# Altium PCB Tag201_GangProgrammerRev1.PcbDoc (part 3 of 7)
Units mil, origin at the board's own origin, x right, y up, seen from the top; angles counter-clockwise.
Board outline 10400 x 10885 mil, 4 copper layers (Top Layer, VCC, GND, Bottom Layer), stack 67.2 mil thick; 874 components, 385 nets, 2980 pads, 650 vias.
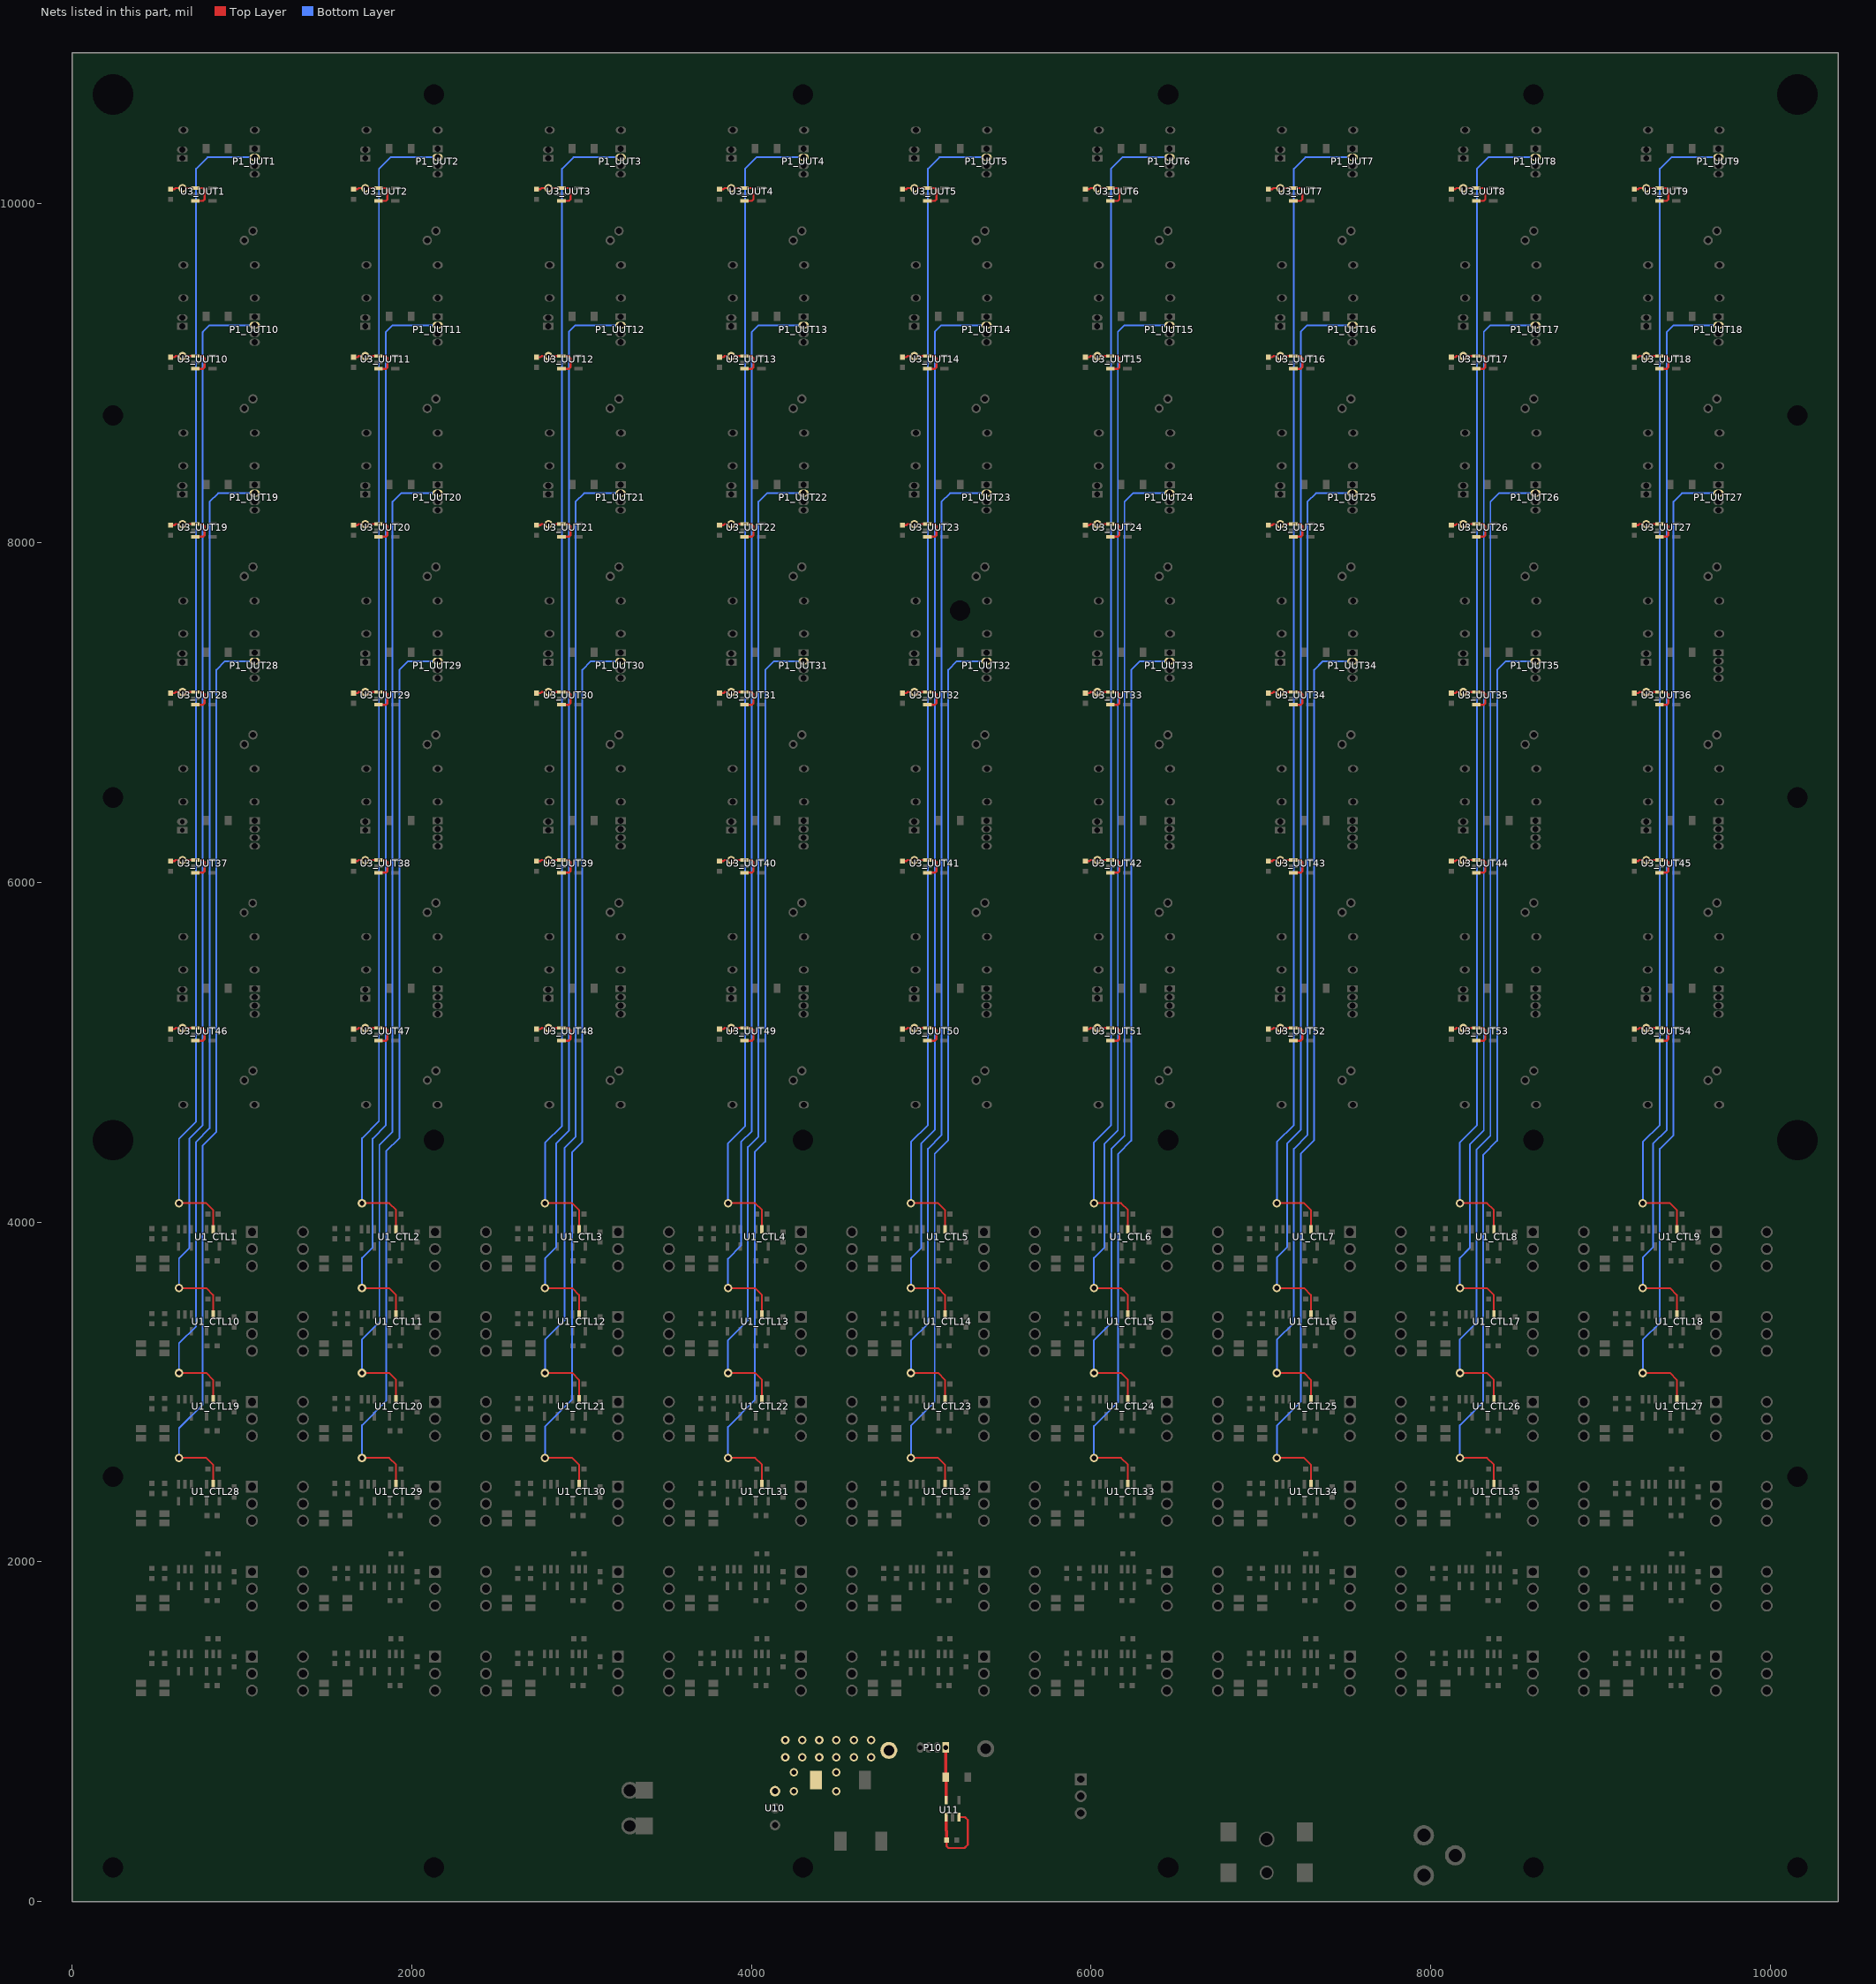
[diagram p5: the nets of this part, all layers, seen from the top]

## Components (designator, comment, footprint, x,y, rotation, side; value= is the part's Value field where it differs from the comment) (continued)
U2_CTL8 "74LVC1G66" SOT25_030205 8206.5,3907 r90 top (schematic designator U2)
U2_CTL9 "74LVC1G66" SOT25_030205 9284,3907 r90 top (schematic designator U2)
U2_CTL10 "74LVC1G66" SOT25_030205 664,3407 r90 top (schematic designator U2)
U2_CTL11 "74LVC1G66" SOT25_030205 1741.5,3407 r90 top (schematic designator U2)
U2_CTL12 "74LVC1G66" SOT25_030205 2819,3407 r90 top (schematic designator U2)
U2_CTL13 "74LVC1G66" SOT25_030205 3896.5,3407 r90 top (schematic designator U2)
U2_CTL14 "74LVC1G66" SOT25_030205 4974,3407 r90 top (schematic designator U2)
U2_CTL15 "74LVC1G66" SOT25_030205 6051.5,3407 r90 top (schematic designator U2)
U2_CTL16 "74LVC1G66" SOT25_030205 7129,3407 r90 top (schematic designator U2)
U2_CTL17 "74LVC1G66" SOT25_030205 8206.5,3407 r90 top (schematic designator U2)
U2_CTL18 "74LVC1G66" SOT25_030205 9284,3407 r90 top (schematic designator U2)
U2_CTL19 "74LVC1G66" SOT25_030205 664,2907 r90 top (schematic designator U2)
U2_CTL20 "74LVC1G66" SOT25_030205 1741.5,2907 r90 top (schematic designator U2)
U2_CTL21 "74LVC1G66" SOT25_030205 2819,2907 r90 top (schematic designator U2)
U2_CTL22 "74LVC1G66" SOT25_030205 3896.5,2907 r90 top (schematic designator U2)
U2_CTL23 "74LVC1G66" SOT25_030205 4974,2907 r90 top (schematic designator U2)
U2_CTL24 "74LVC1G66" SOT25_030205 6051.5,2907 r90 top (schematic designator U2)
U2_CTL25 "74LVC1G66" SOT25_030205 7129,2907 r90 top (schematic designator U2)
U2_CTL26 "74LVC1G66" SOT25_030205 8206.5,2907 r90 top (schematic designator U2)
U2_CTL27 "74LVC1G66" SOT25_030205 9284,2907 r90 top (schematic designator U2)
U2_CTL28 "74LVC1G66" SOT25_030205 664,2407 r90 top (schematic designator U2)
U2_CTL29 "74LVC1G66" SOT25_030205 1741.5,2407 r90 top (schematic designator U2)
U2_CTL30 "74LVC1G66" SOT25_030205 2819,2407 r90 top (schematic designator U2)
U2_CTL31 "74LVC1G66" SOT25_030205 3896.5,2407 r90 top (schematic designator U2)
U2_CTL32 "74LVC1G66" SOT25_030205 4974,2407 r90 top (schematic designator U2)
U2_CTL33 "74LVC1G66" SOT25_030205 6051.5,2407 r90 top (schematic designator U2)
U2_CTL34 "74LVC1G66" SOT25_030205 7129,2407 r90 top (schematic designator U2)
U2_CTL35 "74LVC1G66" SOT25_030205 8206.5,2407 r90 top (schematic designator U2)
U2_CTL36 "74LVC1G66" SOT25_030205 9284,2407 r90 top (schematic designator U2)
U2_CTL37 "74LVC1G66" SOT25_030205 664,1907 r90 top (schematic designator U2)
U2_CTL38 "74LVC1G66" SOT25_030205 1741.5,1907 r90 top (schematic designator U2)
U2_CTL39 "74LVC1G66" SOT25_030205 2819,1907 r90 top (schematic designator U2)
U2_CTL40 "74LVC1G66" SOT25_030205 3896.5,1907 r90 top (schematic designator U2)
U2_CTL41 "74LVC1G66" SOT25_030205 4974,1907 r90 top (schematic designator U2)
U2_CTL42 "74LVC1G66" SOT25_030205 6051.5,1907 r90 top (schematic designator U2)
U2_CTL43 "74LVC1G66" SOT25_030205 7129,1907 r90 top (schematic designator U2)
U2_CTL44 "74LVC1G66" SOT25_030205 8206.5,1907 r90 top (schematic designator U2)
U2_CTL45 "74LVC1G66" SOT25_030205 9284,1907 r90 top (schematic designator U2)
U2_CTL46 "74LVC1G66" SOT25_030205 664,1407 r90 top (schematic designator U2)
U2_CTL47 "74LVC1G66" SOT25_030205 1741.5,1407 r90 top (schematic designator U2)
U2_CTL48 "74LVC1G66" SOT25_030205 2819,1407 r90 top (schematic designator U2)
U2_CTL49 "74LVC1G66" SOT25_030205 3896.5,1407 r90 top (schematic designator U2)
U2_CTL50 "74LVC1G66" SOT25_030205 4974,1407 r90 top (schematic designator U2)
U2_CTL51 "74LVC1G66" SOT25_030205 6051.5,1407 r90 top (schematic designator U2)
U2_CTL52 "74LVC1G66" SOT25_030205 7129,1407 r90 top (schematic designator U2)
U2_CTL53 "74LVC1G66" SOT25_030205 8206.5,1407 r90 top (schematic designator U2)
U2_CTL54 "74LVC1G66" SOT25_030205 9284,1407 r90 top (schematic designator U2)
U3_UUT1 "LP2980" SOT25_030205 776,10051 r180 top (schematic designator U3)
U3_UUT2 "LP2980" SOT25_030205 1853.5,10051 r180 top (schematic designator U3)
U3_UUT3 "LP2980" SOT25_030205 2931,10051 r180 top (schematic designator U3)
U3_UUT4 "LP2980" SOT25_030205 4008.5,10051 r180 top (schematic designator U3)
U3_UUT5 "LP2980" SOT25_030205 5086,10051 r180 top (schematic designator U3)
U3_UUT6 "LP2980" SOT25_030205 6163.5,10051 r180 top (schematic designator U3)
U3_UUT7 "LP2980" SOT25_030205 7241,10051 r180 top (schematic designator U3)
U3_UUT8 "LP2980" SOT25_030205 8318.5,10051 r180 top (schematic designator U3)
U3_UUT9 "LP2980" SOT25_030205 9396,10051 r180 top (schematic designator U3)
U3_UUT10 "LP2980" SOT25_030205 776,9062 r180 top (schematic designator U3)
U3_UUT11 "LP2980" SOT25_030205 1853.5,9062 r180 top (schematic designator U3)
U3_UUT12 "LP2980" SOT25_030205 2931,9062 r180 top (schematic designator U3)
U3_UUT13 "LP2980" SOT25_030205 4008.5,9062 r180 top (schematic designator U3)
U3_UUT14 "LP2980" SOT25_030205 5086,9062 r180 top (schematic designator U3)
U3_UUT15 "LP2980" SOT25_030205 6163.5,9062 r180 top (schematic designator U3)
U3_UUT16 "LP2980" SOT25_030205 7241,9062 r180 top (schematic designator U3)
U3_UUT17 "LP2980" SOT25_030205 8318.5,9062 r180 top (schematic designator U3)
U3_UUT18 "LP2980" SOT25_030205 9396,9062 r180 top (schematic designator U3)
U3_UUT19 "LP2980" SOT25_030205 776,8073 r180 top (schematic designator U3)
U3_UUT20 "LP2980" SOT25_030205 1853.5,8073 r180 top (schematic designator U3)
U3_UUT21 "LP2980" SOT25_030205 2931,8073 r180 top (schematic designator U3)
U3_UUT22 "LP2980" SOT25_030205 4008.5,8073 r180 top (schematic designator U3)
U3_UUT23 "LP2980" SOT25_030205 5086,8073 r180 top (schematic designator U3)
U3_UUT24 "LP2980" SOT25_030205 6163.5,8073 r180 top (schematic designator U3)
U3_UUT25 "LP2980" SOT25_030205 7241,8073 r180 top (schematic designator U3)
U3_UUT26 "LP2980" SOT25_030205 8318.5,8073 r180 top (schematic designator U3)
U3_UUT27 "LP2980" SOT25_030205 9396,8073 r180 top (schematic designator U3)
U3_UUT28 "LP2980" SOT25_030205 776,7084 r180 top (schematic designator U3)
U3_UUT29 "LP2980" SOT25_030205 1853.5,7084 r180 top (schematic designator U3)
U3_UUT30 "LP2980" SOT25_030205 2931,7084 r180 top (schematic designator U3)
U3_UUT31 "LP2980" SOT25_030205 4008.5,7084 r180 top (schematic designator U3)
U3_UUT32 "LP2980" SOT25_030205 5086,7084 r180 top (schematic designator U3)
U3_UUT33 "LP2980" SOT25_030205 6163.5,7084 r180 top (schematic designator U3)
U3_UUT34 "LP2980" SOT25_030205 7241,7084 r180 top (schematic designator U3)
U3_UUT35 "LP2980" SOT25_030205 8318.5,7084 r180 top (schematic designator U3)
U3_UUT36 "LP2980" SOT25_030205 9396,7084 r180 top (schematic designator U3)
U3_UUT37 "LP2980" SOT25_030205 776,6095 r180 top (schematic designator U3)
U3_UUT38 "LP2980" SOT25_030205 1853.5,6095 r180 top (schematic designator U3)
U3_UUT39 "LP2980" SOT25_030205 2931,6095 r180 top (schematic designator U3)
U3_UUT40 "LP2980" SOT25_030205 4008.5,6095 r180 top (schematic designator U3)
U3_UUT41 "LP2980" SOT25_030205 5086,6095 r180 top (schematic designator U3)
U3_UUT42 "LP2980" SOT25_030205 6163.5,6095 r180 top (schematic designator U3)
U3_UUT43 "LP2980" SOT25_030205 7241,6095 r180 top (schematic designator U3)
U3_UUT44 "LP2980" SOT25_030205 8318.5,6095 r180 top (schematic designator U3)
U3_UUT45 "LP2980" SOT25_030205 9396,6095 r180 top (schematic designator U3)
U3_UUT46 "LP2980" SOT25_030205 776,5106 r180 top (schematic designator U3)
U3_UUT47 "LP2980" SOT25_030205 1853.5,5106 r180 top (schematic designator U3)
U3_UUT48 "LP2980" SOT25_030205 2931,5106 r180 top (schematic designator U3)
U3_UUT49 "LP2980" SOT25_030205 4008.5,5106 r180 top (schematic designator U3)
U3_UUT50 "LP2980" SOT25_030205 5086,5106 r180 top (schematic designator U3)
U3_UUT51 "LP2980" SOT25_030205 6163.5,5106 r180 top (schematic designator U3)
U3_UUT52 "LP2980" SOT25_030205 7241,5106 r180 top (schematic designator U3)
U3_UUT53 "LP2980" SOT25_030205 8318.5,5106 r180 top (schematic designator U3)
U3_UUT54 "LP2980" SOT25_030205 9396,5106 r180 top (schematic designator U3)
U10 "PT5101A" TI_PowerTrendsPT_061812 4139,450 r90 top
U11 "LP2980" SOT25_030205 5184,547 r270 top

## Footprints (in the part's own frame and the unit in brackets; to place one, negate y for a bottom-side part, rotate by r counter-clockwise, add the part's x,y. Pads: shape width x height; smd on the part's side, far side on the other; paste and mask are expansions set on the pad)
"1X2 HEADER_50MIL_081611"#1 [mil] "TH"
  rect 40x62 hole 35 mask+2: 1(0,0)
  oval 40x62 hole 35 mask+2: 2(50,0)
  silkscreen extent -40,-50 90,50
"1X2 HEADER_50MIL_081611"#2 [mil] "TH"
  rect 40x62 hole 28 mask+2: 1(0,0)
  oval 40x62 hole 28 mask+2: 2(50,0)
  silkscreen extent -40,-50 90,50
"1X4 HEADER_50mil_071411"#1 [mil] "TH"
  rect 40x62 hole 35 mask+2: 1(0,0)
  oval 40x62 hole 35 mask+2: 2(50,0) 3(100,0) 4(150,0)
  silkscreen extent -40,-50 190,50
"1X4 HEADER_50mil_071411"#2 [mil] "TH"
  rect 40x62 hole 28 mask+2: 1(0,0)
  oval 40x62 hole 28 mask+2: 2(50,0) 3(100,0) 4(150,0)
  silkscreen extent -40,-50 190,50
0603_072205 [mil] "SM"
  rect 30x30 smd: 1(-30,0) 2(30,0)
  silkscreen extent -60,-30 60,30
"CAP A CASE_030205" [mil] "SMT"
  rect 40x55 smd: 1(65,0) 2(-65,0)
  silkscreen extent -100,-50 120,50
"CAP C CASE_041412" [mm] "SMT"
  rect 1.8x2.8 smd: 1(-3.048,0) 2(3.048,0)
  silkscreen extent -4.7,-2.03 4.32,2.03
"CAP D CASE_030205" [mm] "SMT"
  rect 1.8x2.8 smd: 1(3.65,0) 2(-3.65,0)
  silkscreen extent -5,-2.55 5.65,2.55
CnK_TseriesSPDT_Toggle_040512 [mil] "TH"
  rect 70x70 hole 43: 1(-100,0)
  round 70 hole 43: 2(0,0) 3(100,0)
  silkscreen extent -160,-100 160,100
"LED 5MM X 2.5MM_061112" [mm] "SMT"
  rect 1.5x1 smd: 1(1.75,-0.7) 2(1.75,0.7) 3(-1.75,-0.7) 4(-1.75,0.7)
  silkscreen extent -2.9,-2.25 2.93,1.53
"POWER JACK_SMALLHOLE_022110" [mil] "TH"
  round 120 hole 78: 1(0,0) 2(185,-118) 3(0,-236)
  silkscreen extent -200,-570 265,80
"POWER JACK_SMT_071312" [mil] "SMT"
  round 83 hole 63: 0(0,0)
  round 91 hole 71: 0(0,197)
  rect 94.49x110.24 smd: 1(-225,0) 1(-225,240) 2(225,0) 3(225,240)
  silkscreen extent -200,-100 195,385
SOT25_030205 [mil] "SMT"
  rect 50x20 smd: 1(50,-37.5) 2(50,-0.5) 3(50,37.5) 4(-50,37.5) 5(-50,-37.5)
  round 30 on Mech1 paste+0 mask+0: 1(65,-75)
  silkscreen extent -90,-81 90,72
SwitchDPDT_6_061412 [mil] "TH"
  rect 70x70 hole 48: 1(-150,100)
  round 70 hole 48: 2(-150,0) 3(-150,-100) 4(150,-100) 5(150,0) 6(150,100)
  silkscreen extent -200,-170 200,170
TestPoint52x32#1 [mil] "SMT"
  round 55 hole 35: 1(0,0)
TestPoint52x32#2 [mil] "SMT"
  round 52 hole 33: 1(0,0)
TI_PowerTrendsPT_061812 [mil] "TH"
  round 62 hole 35: 1(0,0) 2(100,0) 3(200,0)
  Top Layer keep-out region: -69,51 270,51 270,230 -70,230

## Part data
C1_UUT1 C1_UUT2 C1_UUT3 C1_UUT4 C1_UUT5 C1_UUT6 C1_UUT7 C1_UUT8 C1_UUT9 C1_UUT10 C1_UUT11 C1_UUT12 C1_UUT13 C1_UUT14 C1_UUT15 C1_UUT16 C1_UUT17 C1_UUT18 C1_UUT19 C1_UUT20 C1_UUT21 C1_UUT22 C1_UUT23 C1_UUT24 C1_UUT25 C1_UUT26 C1_UUT27 C1_UUT28 C1_UUT29 C1_UUT30 C1_UUT31 C1_UUT32 C1_UUT33 C1_UUT34 C1_UUT35 C1_UUT36 C1_UUT37 C1_UUT38 C1_UUT39 C1_UUT40 C1_UUT41 C1_UUT42 C1_UUT43 C1_UUT44 C1_UUT45 C1_UUT46 C1_UUT47 C1_UUT48 C1_UUT49 C1_UUT50 C1_UUT51 C1_UUT52 C1_UUT53 C1_UUT54 C2_UUT1 C2_UUT2 C2_UUT3 C2_UUT4 C2_UUT5 C2_UUT6 C2_UUT7 C2_UUT8 C2_UUT9 C2_UUT10 C2_UUT11 C2_UUT12 C2_UUT13 C2_UUT14 C2_UUT15 C2_UUT16 C2_UUT17 C2_UUT18 C2_UUT19 C2_UUT20 C2_UUT21 C2_UUT22 C2_UUT23 C2_UUT24 C2_UUT25 C2_UUT26 C2_UUT27 C2_UUT28 C2_UUT29 C2_UUT30 C2_UUT31 C2_UUT32 C2_UUT33 C2_UUT34 C2_UUT35 C2_UUT36 C2_UUT37 C2_UUT38 C2_UUT39 C2_UUT40 C2_UUT41 C2_UUT42 C2_UUT43 C2_UUT44 C2_UUT45 C2_UUT46 C2_UUT47 C2_UUT48 C2_UUT49 C2_UUT50 C2_UUT51 C2_UUT52 C2_UUT53 C2_UUT54 C3_CTL1 C3_CTL2 C3_CTL3 C3_CTL4 C3_CTL5 C3_CTL6 C3_CTL7 C3_CTL8 C3_CTL9 C3_CTL10 C3_CTL11 C3_CTL12 C3_CTL13 C3_CTL14 C3_CTL15 C3_CTL16 C3_CTL17 C3_CTL18 C3_CTL19 C3_CTL20 C3_CTL21 C3_CTL22 C3_CTL23 C3_CTL24 C3_CTL25 C3_CTL26 C3_CTL27 C3_CTL28 C3_CTL29 C3_CTL30 C3_CTL31 C3_CTL32 C3_CTL33 C3_CTL34 C3_CTL35 C3_CTL36 C3_CTL37 C3_CTL38 C3_CTL39 C3_CTL40 C3_CTL41 C3_CTL42 C3_CTL43 C3_CTL44 C3_CTL45 C3_CTL46 C3_CTL47 C3_CTL48 C3_CTL49 C3_CTL50 C3_CTL51 C3_CTL52 C3_CTL53 C3_CTL54 C12 C13: library part Cap, "Capacitor"
C10 C11: library part Cap2, "Capacitor"
D1_CTL1 D1_CTL2 D1_CTL3 D1_CTL4 D1_CTL5 D1_CTL6 D1_CTL7 D1_CTL8 D1_CTL9 D1_CTL10 D1_CTL11 D1_CTL12 D1_CTL13 D1_CTL14 D1_CTL15 D1_CTL16 D1_CTL17 D1_CTL18 D1_CTL19 D1_CTL20 D1_CTL21 D1_CTL22 D1_CTL23 D1_CTL24 D1_CTL25 D1_CTL26 D1_CTL27 D1_CTL28 D1_CTL29 D1_CTL30 D1_CTL31 D1_CTL32 D1_CTL33 D1_CTL34 D1_CTL35 D1_CTL36 D1_CTL37 D1_CTL38 D1_CTL39 D1_CTL40 D1_CTL41 D1_CTL42 D1_CTL43 D1_CTL44 D1_CTL45 D1_CTL46 D1_CTL47 D1_CTL48 D1_CTL49 D1_CTL50 D1_CTL51 D1_CTL52 D1_CTL53 D1_CTL54: library part LED_BI_2_1
J1_UUT1 J1_UUT2 J1_UUT3 J1_UUT4 J1_UUT5 J1_UUT6 J1_UUT7 J1_UUT8 J1_UUT9 J1_UUT10 J1_UUT11 J1_UUT12 J1_UUT13 J1_UUT14 J1_UUT15 J1_UUT16 J1_UUT17 J1_UUT18 J1_UUT19 J1_UUT20 J1_UUT21 J1_UUT22 J1_UUT23 J1_UUT24 J1_UUT25 J1_UUT26 J1_UUT27 J1_UUT28 J1_UUT29 J1_UUT30 J1_UUT31 J1_UUT32 J1_UUT33 J1_UUT34 J1_UUT35 J1_UUT36 J1_UUT37 J1_UUT38 J1_UUT39 J1_UUT40 J1_UUT41 J1_UUT42 J1_UUT43 J1_UUT44 J1_UUT45 J1_UUT46 J1_UUT47 J1_UUT48 J1_UUT49 J1_UUT50 J1_UUT51 J1_UUT52 J1_UUT53 J1_UUT54 J2_UUT1 J2_UUT2 J2_UUT3 J2_UUT4 J2_UUT5 J2_UUT6 J2_UUT7 J2_UUT8 J2_UUT9 J2_UUT10 J2_UUT11 J2_UUT12 J2_UUT13 J2_UUT14 J2_UUT15 J2_UUT16 J2_UUT17 J2_UUT18 J2_UUT19 J2_UUT20 J2_UUT21 J2_UUT22 J2_UUT23 J2_UUT24 J2_UUT25 J2_UUT26 J2_UUT27 J2_UUT28 J2_UUT29 J2_UUT30 J2_UUT31 J2_UUT32 J2_UUT33 J2_UUT34 J2_UUT35 J2_UUT36 J2_UUT37 J2_UUT38 J2_UUT39 J2_UUT40 J2_UUT41 J2_UUT42 J2_UUT43 J2_UUT44 J2_UUT45 J2_UUT46 J2_UUT47 J2_UUT48 J2_UUT49 J2_UUT50 J2_UUT51 J2_UUT52 J2_UUT53 J2_UUT54: library part CON1, "Connector"
P1_UUT1 P1_UUT2 P1_UUT3 P1_UUT4 P1_UUT5 P1_UUT6 P1_UUT7 P1_UUT8 P1_UUT9 P1_UUT10 P1_UUT11 P1_UUT12 P1_UUT13 P1_UUT14 P1_UUT15 P1_UUT16 P1_UUT17 P1_UUT18 P1_UUT19 P1_UUT20 P1_UUT21 P1_UUT22 P1_UUT23 P1_UUT24 P1_UUT25 P1_UUT26 P1_UUT27 P1_UUT28 P1_UUT29 P1_UUT30 P1_UUT31 P1_UUT32 P1_UUT33 P1_UUT34 P1_UUT35 P1_UUT36 P1_UUT37 P1_UUT38 P1_UUT39 P1_UUT40 P1_UUT41 P1_UUT42 P1_UUT43 P1_UUT44 P1_UUT45 P1_UUT46 P1_UUT47 P1_UUT48 P1_UUT49 P1_UUT50 P1_UUT51 P1_UUT52 P1_UUT53 P1_UUT54 P10: library part "Header 4", "Header, 4-Pin"
P2_UUT1 P2_UUT2 P2_UUT3 P2_UUT4 P2_UUT5 P2_UUT6 P2_UUT7 P2_UUT8 P2_UUT9 P2_UUT10 P2_UUT11 P2_UUT12 P2_UUT13 P2_UUT14 P2_UUT15 P2_UUT16 P2_UUT17 P2_UUT18 P2_UUT19 P2_UUT20 P2_UUT21 P2_UUT22 P2_UUT23 P2_UUT24 P2_UUT25 P2_UUT26 P2_UUT27 P2_UUT28 P2_UUT29 P2_UUT30 P2_UUT31 P2_UUT32 P2_UUT33 P2_UUT34 P2_UUT35 P2_UUT36 P2_UUT37 P2_UUT38 P2_UUT39 P2_UUT40 P2_UUT41 P2_UUT42 P2_UUT43 P2_UUT44 P2_UUT45 P2_UUT46 P2_UUT47 P2_UUT48 P2_UUT49 P2_UUT50 P2_UUT51 P2_UUT52 P2_UUT53 P2_UUT54: library part CON2
R1_CTL1 R1_CTL2 R1_CTL3 R1_CTL4 R1_CTL5 R1_CTL6 R1_CTL7 R1_CTL8 R1_CTL9 R1_CTL10 R1_CTL11 R1_CTL12 R1_CTL13 R1_CTL14 R1_CTL15 R1_CTL16 R1_CTL17 R1_CTL18 R1_CTL19 R1_CTL20 R1_CTL21 R1_CTL22 R1_CTL23 R1_CTL24 R1_CTL25 R1_CTL26 R1_CTL27 R1_CTL28 R1_CTL29 R1_CTL30 R1_CTL31 R1_CTL32 R1_CTL33 R1_CTL34 R1_CTL35 R1_CTL36 R1_CTL37 R1_CTL38 R1_CTL39 R1_CTL40 R1_CTL41 R1_CTL42 R1_CTL43 R1_CTL44 R1_CTL45 R1_CTL46 R1_CTL47 R1_CTL48 R1_CTL49 R1_CTL50 R1_CTL51 R1_CTL52 R1_CTL53 R1_CTL54 R2_CTL1 R2_CTL2 R2_CTL3 R2_CTL4 R2_CTL5 R2_CTL6 R2_CTL7 R2_CTL8 R2_CTL9 R2_CTL10 R2_CTL11 R2_CTL12 R2_CTL13 R2_CTL14 R2_CTL15 R2_CTL16 R2_CTL17 R2_CTL18 R2_CTL19 R2_CTL20 R2_CTL21 R2_CTL22 R2_CTL23 R2_CTL24 R2_CTL25 R2_CTL26 R2_CTL27 R2_CTL28 R2_CTL29 R2_CTL30 R2_CTL31 R2_CTL32 R2_CTL33 R2_CTL34 R2_CTL35 R2_CTL36 R2_CTL37 R2_CTL38 R2_CTL39 R2_CTL40 R2_CTL41 R2_CTL42 R2_CTL43 R2_CTL44 R2_CTL45 R2_CTL46 R2_CTL47 R2_CTL48 R2_CTL49 R2_CTL50 R2_CTL51 R2_CTL52 R2_CTL53 R2_CTL54 R3_CTL1 R3_CTL2 R3_CTL3 R3_CTL4 R3_CTL5 R3_CTL6 R3_CTL7 R3_CTL8 R3_CTL9 R3_CTL10 R3_CTL11 R3_CTL12 R3_CTL13 R3_CTL14 R3_CTL15 R3_CTL16 R3_CTL17 R3_CTL18 R3_CTL19 R3_CTL20 R3_CTL21 R3_CTL22 R3_CTL23 R3_CTL24 R3_CTL25 R3_CTL26 R3_CTL27 R3_CTL28 R3_CTL29 R3_CTL30 R3_CTL31 R3_CTL32 R3_CTL33 R3_CTL34 R3_CTL35 R3_CTL36 R3_CTL37 R3_CTL38 R3_CTL39 R3_CTL40 R3_CTL41 R3_CTL42 R3_CTL43 R3_CTL44 R3_CTL45 R3_CTL46 R3_CTL47 R3_CTL48 R3_CTL49 R3_CTL50 R3_CTL51 R3_CTL52 R3_CTL53 R3_CTL54 R4_CTL1 R4_CTL2 R4_CTL3 R4_CTL4 R4_CTL5 R4_CTL6 R4_CTL7 R4_CTL8 R4_CTL9 R4_CTL10 R4_CTL11 R4_CTL12 R4_CTL13 R4_CTL14 R4_CTL15 R4_CTL16 R4_CTL17 R4_CTL18 R4_CTL19 R4_CTL20 R4_CTL21 R4_CTL22 R4_CTL23 R4_CTL24 R4_CTL25 R4_CTL26 R4_CTL27 R4_CTL28 R4_CTL29 R4_CTL30 R4_CTL31 R4_CTL32 R4_CTL33 R4_CTL34 R4_CTL35 R4_CTL36 R4_CTL37 R4_CTL38 R4_CTL39 R4_CTL40 R4_CTL41 R4_CTL42 R4_CTL43 R4_CTL44 R4_CTL45 R4_CTL46 R4_CTL47 R4_CTL48 R4_CTL49 R4_CTL50 R4_CTL51 R4_CTL52 R4_CTL53 R4_CTL54: library part RESISTOR
S1: library part "SWITCH SPST"
S1_CTL1 S1_CTL2 S1_CTL3 S1_CTL4 S1_CTL5 S1_CTL6 S1_CTL7 S1_CTL8 S1_CTL9 S1_CTL10 S1_CTL11 S1_CTL12 S1_CTL13 S1_CTL14 S1_CTL15 S1_CTL16 S1_CTL17 S1_CTL18 S1_CTL19 S1_CTL20 S1_CTL21 S1_CTL22 S1_CTL23 S1_CTL24 S1_CTL25 S1_CTL26 S1_CTL27 S1_CTL28 S1_CTL29 S1_CTL30 S1_CTL31 S1_CTL32 S1_CTL33 S1_CTL34 S1_CTL35 S1_CTL36 S1_CTL37 S1_CTL38 S1_CTL39 S1_CTL40 S1_CTL41 S1_CTL42 S1_CTL43 S1_CTL44 S1_CTL45 S1_CTL46 S1_CTL47 S1_CTL48 S1_CTL49 S1_CTL50 S1_CTL51 S1_CTL52 S1_CTL53 S1_CTL54: library part "SWITCH PB"
U1_CTL1 U1_CTL2 U1_CTL3 U1_CTL4 U1_CTL5 U1_CTL6 U1_CTL7 U1_CTL8 U1_CTL9 U1_CTL10 U1_CTL11 U1_CTL12 U1_CTL13 U1_CTL14 U1_CTL15 U1_CTL16 U1_CTL17 U1_CTL18 U1_CTL19 U1_CTL20 U1_CTL21 U1_CTL22 U1_CTL23 U1_CTL24 U1_CTL25 U1_CTL26 U1_CTL27 U1_CTL28 U1_CTL29 U1_CTL30 U1_CTL31 U1_CTL32 U1_CTL33 U1_CTL34 U1_CTL35 U1_CTL36 U1_CTL37 U1_CTL38 U1_CTL39 U1_CTL40 U1_CTL41 U1_CTL42 U1_CTL43 U1_CTL44 U1_CTL45 U1_CTL46 U1_CTL47 U1_CTL48 U1_CTL49 U1_CTL50 U1_CTL51 U1_CTL52 U1_CTL53 U1_CTL54 U2_CTL1 U2_CTL2 U2_CTL3 U2_CTL4 U2_CTL5 U2_CTL6 U2_CTL7 U2_CTL8 U2_CTL9 U2_CTL10 U2_CTL11 U2_CTL12 U2_CTL13 U2_CTL14 U2_CTL15 U2_CTL16 U2_CTL17 U2_CTL18 U2_CTL19 U2_CTL20 U2_CTL21 U2_CTL22 U2_CTL23 U2_CTL24 U2_CTL25 U2_CTL26 U2_CTL27 U2_CTL28 U2_CTL29 U2_CTL30 U2_CTL31 U2_CTL32 U2_CTL33 U2_CTL34 U2_CTL35 U2_CTL36 U2_CTL37 U2_CTL38 U2_CTL39 U2_CTL40 U2_CTL41 U2_CTL42 U2_CTL43 U2_CTL44 U2_CTL45 U2_CTL46 U2_CTL47 U2_CTL48 U2_CTL49 U2_CTL50 U2_CTL51 U2_CTL52 U2_CTL53 U2_CTL54: library part 7466_SINGLE, "Single Solid State Switch"
U3_UUT1 U3_UUT2 U3_UUT3 U3_UUT4 U3_UUT5 U3_UUT6 U3_UUT7 U3_UUT8 U3_UUT9 U3_UUT10 U3_UUT11 U3_UUT12 U3_UUT13 U3_UUT14 U3_UUT15 U3_UUT16 U3_UUT17 U3_UUT18 U3_UUT19 U3_UUT20 U3_UUT21 U3_UUT22 U3_UUT23 U3_UUT24 U3_UUT25 U3_UUT26 U3_UUT27 U3_UUT28 U3_UUT29 U3_UUT30 U3_UUT31 U3_UUT32 U3_UUT33 U3_UUT34 U3_UUT35 U3_UUT36 U3_UUT37 U3_UUT38 U3_UUT39 U3_UUT40 U3_UUT41 U3_UUT42 U3_UUT43 U3_UUT44 U3_UUT45 U3_UUT46 U3_UUT47 U3_UUT48 U3_UUT49 U3_UUT50 U3_UUT51 U3_UUT52 U3_UUT53 U3_UUT54 U11: library part LP2985
U10: library part LM340T

## Free pads (board coordinates)
  round 62 hole 120 unplated: 0(240,200) 0(240,2500) 0(240,6500) 0(240,8750) 0(2129,200) 0(2129,4483) 0(2129,10639) 0(4304,200) 0(4304,4483) 0(4304,10639) 0(5229,7600) 0(6454,200) 0(6454,4483) 0(6454,10639) 0(8604,200) 0(8604,4483) 0(8604,10639) 0(10159.5,200) 0(10159.5,2500) 0(10159.5,6500) 0(10159.5,8750)
  round 62 hole 238 unplated: 0(240,4483) 0(240,10639) 0(10159.5,4483) 0(10159.5,10639)
  oval 60x42 hole 35: 0(654,4691.02) 0(654,5486.04) 0(654,5680.19) 0(654,6475.22) 0(654,6669.36) 0(654,7464.39) 0(654,7657.55) 0(654,8452.58) 0(654.98,8646.72) 0(654.98,9441.75) 0(654.98,9634.91) 0(654.98,10429.94) 0(1074,4691.02) 0(1074,5486.04) 0(1074,6475.22) 0(1074,7464.39) 0(1074,8452.58) 0(1074,5680.19) 0(1074,6669.36) 0(1074,7657.55) 0(1074.98,9441.75) 0(1074.98,10429.94) 0(1074.98,8646.72) 0(1074.98,9634.91) 0(1730.77,4691.02) 0(1730.77,5486.04) 0(1731.76,5680.19) 0(1731.76,6475.22) 0(1731.76,6669.36) 0(1731.76,7464.39) 0(1731.76,7657.55) 0(1731.76,8452.58) 0(1732.74,8646.72) 0(1732.74,9441.75) 0(1732.74,9634.91) 0(1732.74,10429.94) 0(2150.77,5486.04) 0(2150.77,4691.02) 0(2151.76,6475.22) 0(2151.76,7464.39) 0(2151.76,8452.58) 0(2151.76,5680.19) 0(2151.76,6669.36) 0(2151.76,7657.55) 0(2152.74,9441.75) 0(2152.74,10429.94) 0(2152.74,8646.72) 0(2152.74,9634.91) 0(2809.51,4691.02) 0(2809.51,5486.04) 0(2810.5,5680.19) 0(2810.5,6475.22) 0(2810.5,6669.36) 0(2810.5,7464.39) 0(2810.5,7657.55) 0(2810.5,8452.58) 0(2811.48,8646.72) 0(2811.48,9441.75) 0(2811.48,9634.91) 0(2811.48,10429.94) 0(3229.51,5486.04) 0(3229.51,4691.02) 0(3230.5,6475.22) 0(3230.5,7464.39) 0(3230.5,8452.58) 0(3230.5,5680.19) 0(3230.5,6669.36) 0(3230.5,7657.55) 0(3231.48,9441.75) 0(3231.48,10429.94) 0(3231.48,8646.72) 0(3231.48,9634.91) 0(3888.25,4691.02) 0(3888.25,5486.04) 0(3889.24,5680.19) 0(3889.24,6475.22) 0(3889.24,6669.36) 0(3889.24,7464.39) 0(3889.24,7657.55) 0(3889.24,8452.58) 0(3890.22,8646.72) 0(3890.22,9441.75) 0(3890.22,9634.91) 0(3890.22,10429.94) 0(4308.25,5486.04) 0(4308.25,4691.02) 0(4309.24,6475.22) 0(4309.24,7464.39) 0(4309.24,8452.58) 0(4309.24,5680.19) 0(4309.24,6669.36) 0(4309.24,7657.55) 0(4310.22,9441.75) 0(4310.22,10429.94) 0(4310.22,8646.72) 0(4310.22,9634.91) 0(4966.01,4691.02) 0(4966.01,5486.04) 0(4966.99,5680.19) 0(4966.99,6475.22) 0(4966.99,6669.36) 0(4966.99,7464.39) 0(4966.99,7657.55) 0(4966.99,8452.58) 0(4967.98,8646.72) 0(4967.98,9441.75) 0(4967.98,9634.91) 0(4967.98,10429.94) 0(5386.01,5486.04) 0(5386.01,4691.02) 0(5386.99,6475.22) 0(5386.99,7464.39) 0(5386.99,8452.58) 0(5386.99,5680.19) 0(5386.99,6669.36) 0(5386.99,7657.55) 0(5387.98,9441.75) 0(5387.98,10429.94) 0(5387.98,8646.72) 0(5387.98,9634.91) 0(6043.76,4691.02) 0(6043.76,5486.04) 0(6044.75,5680.19) 0(6044.75,6475.22) 0(6044.75,6669.36) 0(6044.75,7464.39) 0(6044.75,7657.55) 0(6044.75,8452.58) 0(6045.73,8646.72) 0(6045.73,9441.75) 0(6045.73,9634.91) 0(6045.73,10429.94) 0(6463.76,5486.04) 0(6463.76,4691.02) 0(6464.75,6475.22) 0(6464.75,7464.39) 0(6464.75,8452.58) 0(6464.75,5680.19) 0(6464.75,6669.36) 0(6464.75,7657.55) 0(6465.73,9441.75) 0(6465.73,10429.94) 0(6465.73,8646.72) 0(6465.73,9634.91) 0(7121.52,4691.02) 0(7121.52,5486.04) 0(7122.5,5680.19) 0(7122.5,6475.22) 0(7122.5,6669.36) 0(7122.5,7464.39) 0(7122.5,7657.55) 0(7122.5,8452.58) 0(7123.49,8646.72) 0(7123.49,9441.75) 0(7123.49,9634.91) 0(7123.49,10429.94) 0(7541.52,5486.04) 0(7541.52,4691.02) 0(7542.5,6475.22) 0(7542.5,7464.39) 0(7542.5,8452.58) 0(7542.5,5680.19) 0(7542.5,6669.36) 0(7542.5,7657.55) 0(7543.49,9441.75) 0(7543.49,10429.94) 0(7543.49,8646.72) 0(7543.49,9634.91) 0(8200.26,4691.02) 0(8200.26,5486.04) 0(8201.24,5680.19) 0(8201.24,6475.22) 0(8201.24,6669.36) 0(8201.24,7464.39) 0(8201.24,7657.55) 0(8201.24,8452.58) 0(8202.23,8646.72) 0(8202.23,9441.75) 0(8202.23,9634.91) 0(8202.23,10429.94) 0(8620.26,5486.04) 0(8620.26,4691.02) 0(8621.24,6475.22) 0(8621.24,7464.39) 0(8621.24,8452.58) 0(8621.24,5680.19) 0(8621.24,6669.36) 0(8621.24,7657.55) 0(8622.23,9441.75) 0(8622.23,10429.94) 0(8622.23,8646.72) 0(8622.23,9634.91) 0(9278.02,4691.02) 0(9278.02,5486.04) 0(9279,5680.19) 0(9279,6475.22) 0(9279,6669.36) 0(9279,7464.39) 0(9279,7657.55) 0(9279,8452.58) 0(9279.98,8646.72) 0(9279.98,9441.75) 0(9279.98,9634.91) 0(9279.98,10429.94) 0(9698.02,5486.04) 0(9698.02,4691.02) 0(9699,6475.22) 0(9699,7464.39) 0(9699,8452.58) 0(9699,5680.19) 0(9699,6669.36) 0(9699,7657.55) 0(9699.98,9441.75) 0(9699.98,10429.94) 0(9699.98,8646.72) 0(9699.98,9634.91)